# Altium PCB SmartHaloV1_ASCII.PcbDoc (part 3 of 4)
Units mil, origin at the board's own origin, x right, y up, seen from the top; angles counter-clockwise.
Board outline 3022.28 x 2564.81 mil, 4 copper layers (Top Layer, Ground Plane, Power Plane, Bottom Layer), stack 59.692 mil thick; 370 components, 182 nets, 935 pads, 581 vias.
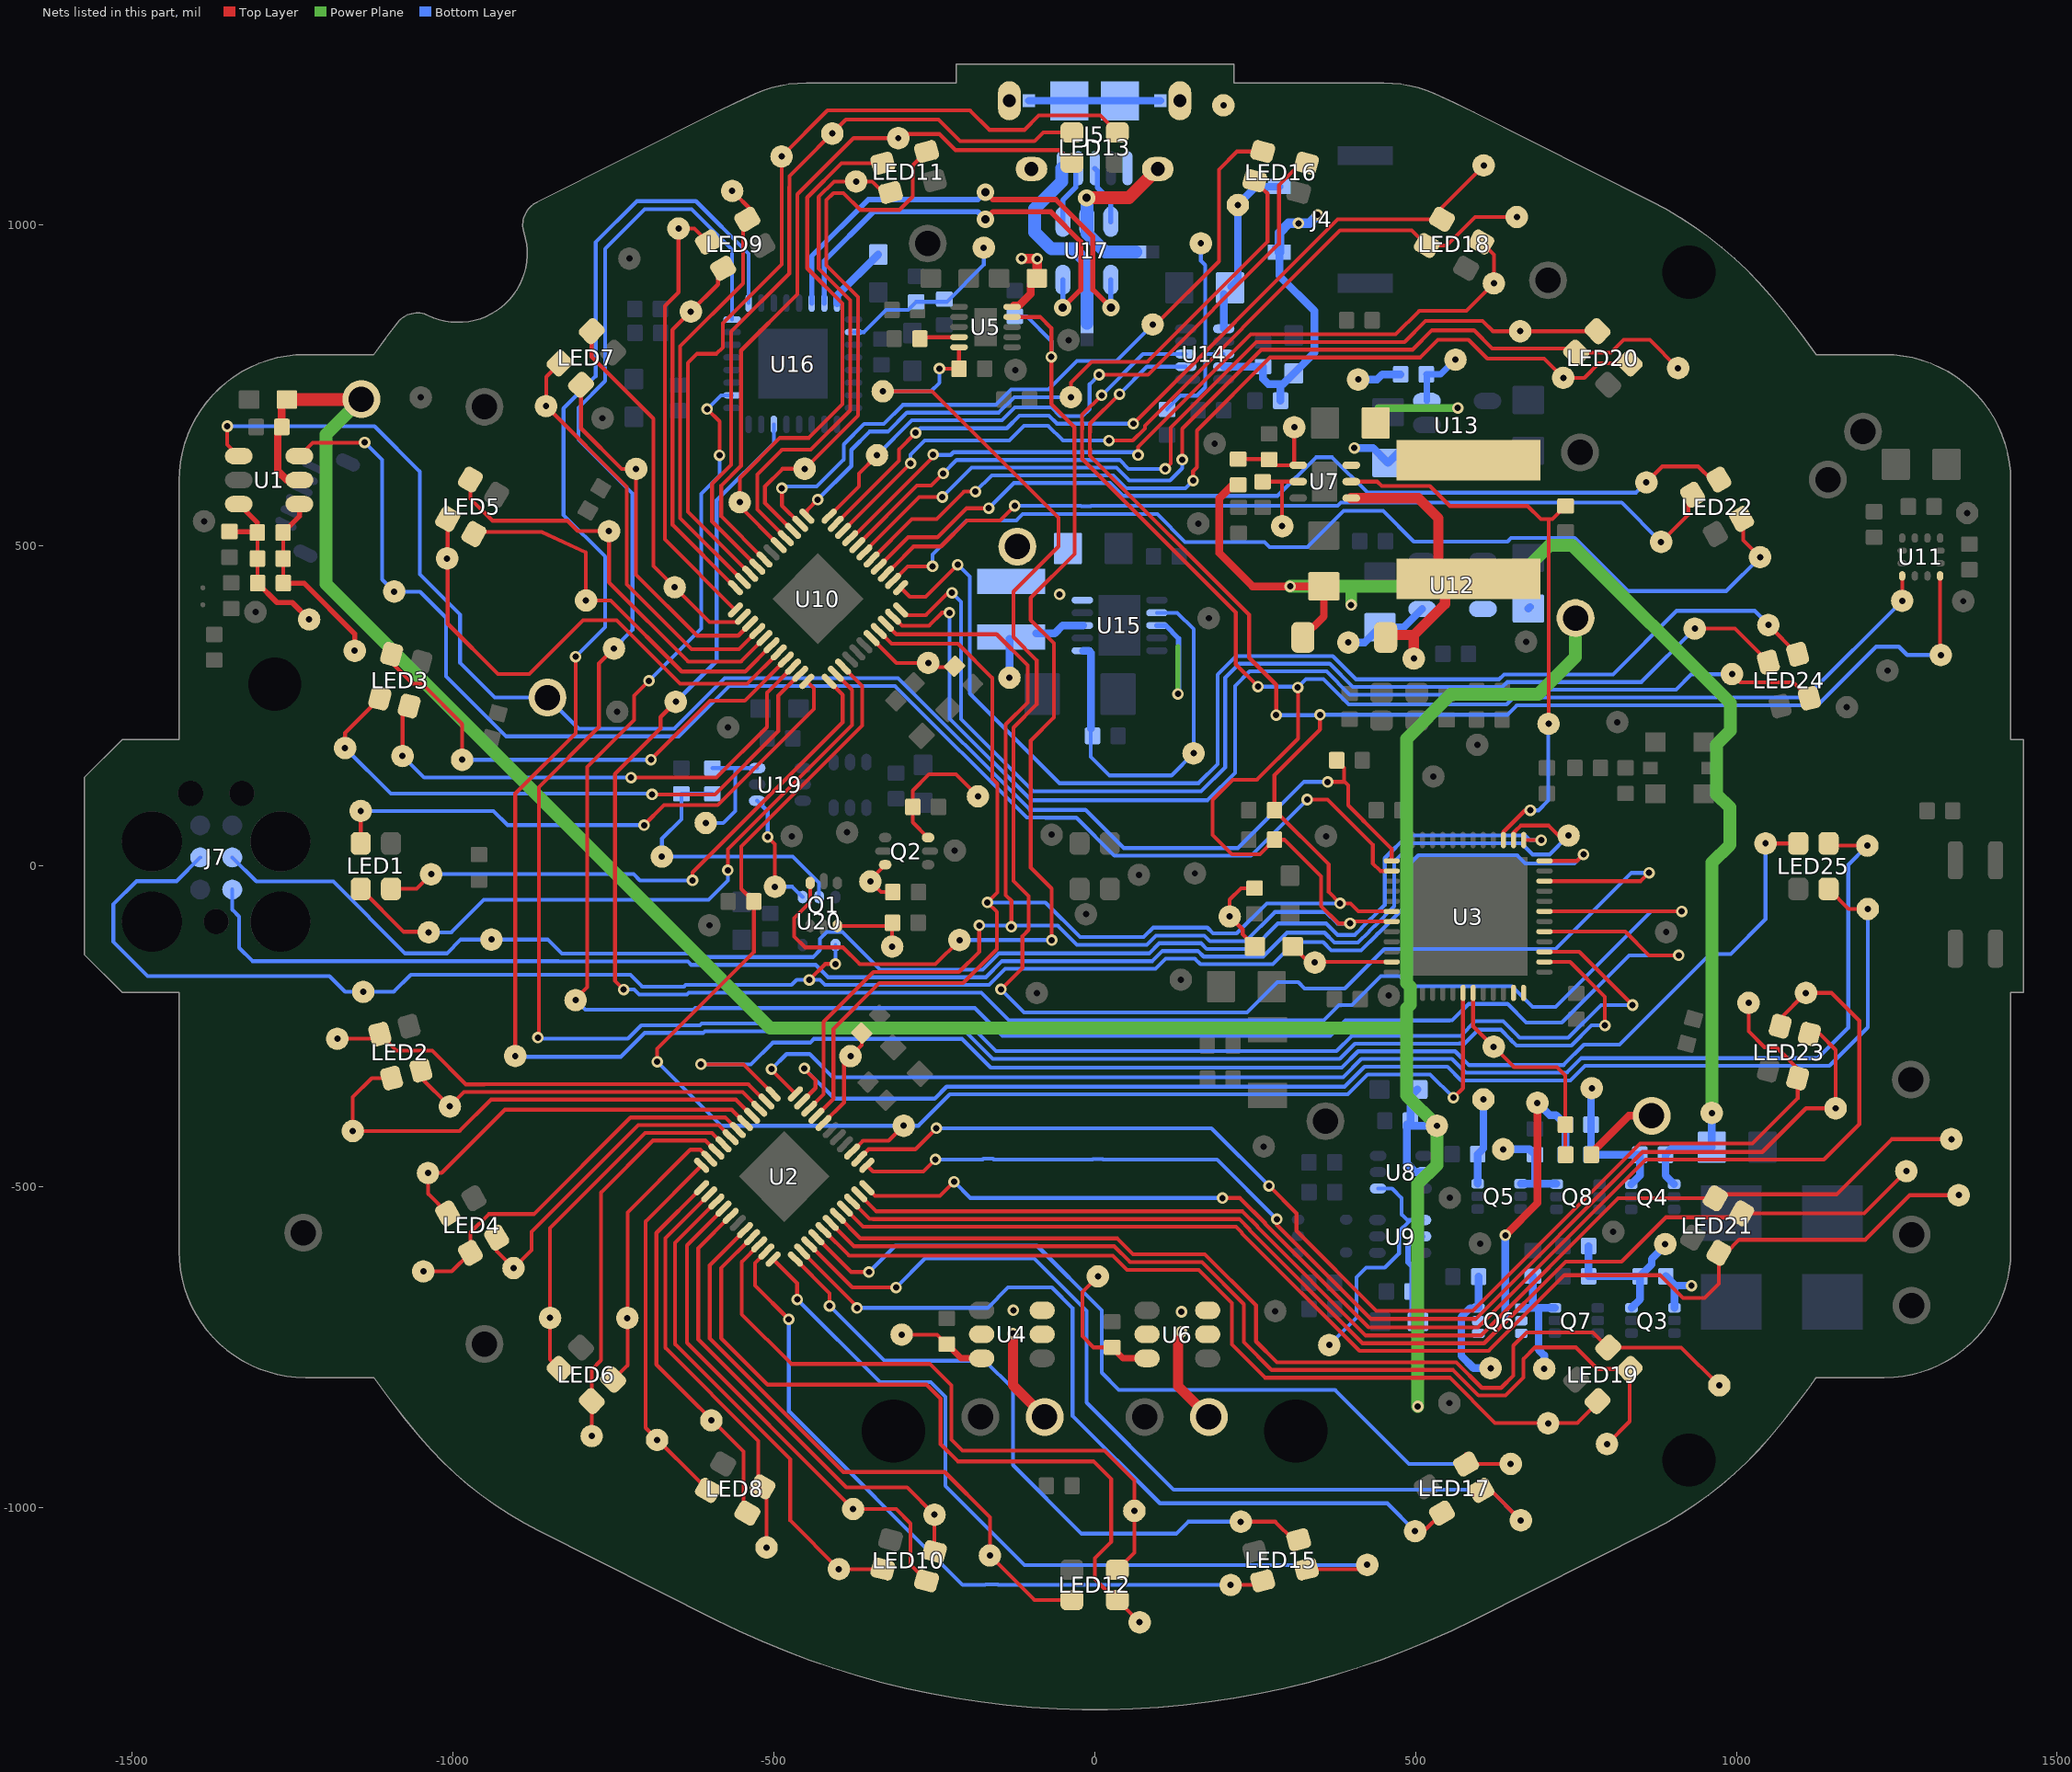
[diagram p4: the nets of this part, all layers, seen from the top]

## Via types
v1: diameter 18, hole 10, Top Layer to Bottom Layer, 557 vias
v2: diameter 27, hole 13, Top Layer to Bottom Layer, 24 vias

## Nets (pads, with @x,y where several pads share a name; then routed paths per layer and width w, separated by ;. In a path a pad name is that pad's centre, name@x,y a point inside that pad or via, vN(x,y) a via of type N, cw(c..) or ccw(c..) an arc to the next point about the centre after c; other vN are vias at no path point) (continued)
NetC62_2: C62.2 Q3.3 R5.1 R22.2 TP134.1 | length 248.6
  Bottom Layer w6: R22.2@769.8,-639.1 R22.2@770,-639.3
  Bottom Layer w12: R22.2@769.8,-639.1 C62.2@769.8,-592 ; R22.2@770,-639.3 R5.1@850,-639.3 ; Q3.3@836.54,-688.41 850,-674.95 R5.1@850,-639.3 ; TP134.1@889.1,-589 889.1,-591.3 868.1,-612.3 868.1,-620.71 850,-638.81 R5.1@850,-639.3
NetC63_1: C63.1 Q6.1 Q6.2 Q6.5 Q6.6 R25.1 TP132.1 | length 459.5
  Top Layer w12: v1(640,-575.2) 690.3,-524.9 TP132.1@690.3,-368.9
  Bottom Layer w12: 640,-703.1 v1(640,-575.2) ; TP132.1@689.9,-368.9 709.05,-388.05 718.75,-388.05 C63.1@733.6,-402.9 R25.1@733.6,-449.6
NetC63_2: C63.2 Q4.3 R21.1 R25.2 TP135.1 | length 231.6
  Bottom Layer w12: C63.2@773.5,-403 R25.2@773.5,-449.7 R21.1@849.6,-449.7 849.6,-482.25 Q4.3@836.14,-495.72 ; C63.2@773.6,-402.9 773.6,-347.2 TP135.1@774.7,-346.1
NetC64_2: C64.2 R26.1 TP154.1 U20.2 | length 442.6
  Bottom Layer w6: R26.1@-595.7,112.7 C64.2@-644,112.7 -644,73.11 -674.4,42.71 TP154.1@-674.4,14.9 -470.5,14.9 -429.47,-26.13 U20.2@-429.47,-48.1
NetD1_2: D1.2 U4.2 U4.3 U4.5 | length 150.7
  Top Layer w16: v1(-127.4,-728.2) -127.4,-808.94 D1.2@-77.95,-858.39
  other v1: -126.6,-692.1
NetD2_2: D2.2 U6.2 U6.3 U6.5 | length 147.1
  Top Layer w16: v1@129.9,-731.2 129.9,-810.33 D2.2@177.95,-858.39
  other v1: 135.2,-725.9 135.2,-694.5
NetD3_2: D3.2 L4.2 TP172.1 U7.4 | length 476.2
  Top Layer w16: U7.4@399.94,573.61 504.39,573.61 535.8,542.2 L4.2@535.8,457.1 ; D3.2@453.5,357.2 456.6,360.3 497.9,360.3 545.9,408.3 545.9,448.88 L4.2@530.32,448.88 ; TP172.1@497.3,323.6 497.3,359.7 ; L4.2@498.8,457.2 507.12,448.88 L4.2@530.32,448.88 ; L4.2@531.32,447.88 L4.2@530.32,448.88
NetJ4_1: J4.1 RSENSE1.2 TP173.1 U14.6 | length 262
  Bottom Layer w12: U14.6@201.1,837.5 RSENSE1.2@201.1,891.5 ; RSENSE1.2@213,903.4 223.2,913.6 223.2,1030.9 251.36,1059.06 J4.1@287.8,1059.06
NetL2_2: L2.2 L3.1 TP159.1 | length 135.5
  Top Layer w6: L2.2@249.1,-34.3 228.2,-34.3 210.4,-52.1 TP159.1@210.4,-78.4 230.7,-98.7 230.7,-106.2 L3.1@249.7,-125.2
NetL3_2: L3.2 TP168.1 U3.47 | length 164.1
  Top Layer w6: L3.2@308.7,-125.2 332.77,-149.27 343,-149.27 U3.47@462.81,-149.27
NetL5_2: L5.2 TP174.1 U15.3 | length 138.7
  Bottom Layer w12: TP174.1@-132.8,293.7 L5.2@-132.8,354.59 ; L5.2@-90.83,362.77 -62.33,362.77 -49.9,375.2 U15.3@-18.17,375.2
NetQ1_3: Q1.3 R7.1 TP112.1 | length 117.6
  Top Layer w6: Q1.3@-400.92,-93.16 R7.1@-319.97,-93.16 ; TP112.1@-315.6,-125.4 R7.1@-315.6,-88.8
NetQ2_3: Q2.3 R11.1 TP113.1 | length 77.3
  Top Layer w6: Q2.3@-326.46,2.22 -349.5,-20.82 TP113.1@-349.5,-23.8 -332.9,-40.4 R11.1@-314.6,-40.4
NetQ2_6: Q2.6 R14.1 TP110.1 | length 209.2
  Top Layer w6: Q2.6@-259.54,44.58 -283.3,68.35 R14.1@-283.3,92.2 -283.3,117.8 -258.1,143 -216,143 TP110.1@-181.8,108.8
NetQ5_3: Q5.3 R40.1 TP137.1 | length 135.1
  Bottom Layer w12: Q5.3@597.04,-494.91 R40.1@597,-448.9 605.8,-440.1 TP137.1@605.8,-363.4
NetQ5_4: Q5.4 Q8.3 R43.2 TP136.1 | length 152.6
  Bottom Layer w12: TP136.1@636.7,-441.2 677.8,-441.2 R43.2@686.2,-449.6 686.2,-493.82 ; Q5.4@663.96,-494.91 Q8.3@719.34,-494.91
NetQ6_3: Q6.3 R41.1 TP131.1 | length 195.3
  Bottom Layer w12: Q6.3@597.94,-688.72 585.18,-688.72 571.4,-702.5 571.4,-763.3 590.4,-782.3 TP131.1@617,-782.3 ; Q6.3@598.2,-688.45 R41.1@598.2,-639.7
NetQ6_4: Q6.4 Q7.3 R42.1 TP133.1 | length 199.2
  Bottom Layer w12: Q6.4@665.06,-688.51 691.9,-688.51 ; 682.8,-687.82 R42.1@682.8,-639.1 ; TP133.1@700.6,-783.3 700.6,-762.3 691.9,-753.6 691.9,-688.51 ; Q7.3@717.14,-688.51 691.9,-688.51
NetR2_1: R2.1 TP157.1 U2.40 | length 164.4
  Top Layer w6: U2.40@-422.45,-400.18 -390.6,-368.33 -390.6,-306.3 TP157.1@-380.4,-296.1 -363.14,-278.84 R2.1@-363.14,-260.38
NetR3_2: R3.2 TP97.1 U4.6 | length 139.8
  Top Layer w6: TP97.1@-300.7,-730.1 -245.39,-730.1 R3.2@-230.61,-744.88
  Top Layer w10: R3.2@-230.61,-744.88 -208.45,-767.05 U4.6@-176.18,-767.05
NetR4_1: R4.1 TP175.1 U13.3 | length 95.6
  Bottom Layer w10: R4.1@516.9,766.5 539.4,766.5 TP175.1@562.3,789.4 ; U13.3@517.65,725.02 R4.1@517.65,765.75
NetR12_2: R12.2 TP98.1 U6.6 | length 218.5
  Top Layer w6: TP98.1@5.1,-639.3 -19.2,-663.6 -19.2,-732.5 -1.64,-750.06 R12.2@27.24,-750.06
  Top Layer w10: R12.2@27.24,-750.06 44.23,-767.05 U6.6@81.69,-767.05
NetR15_1: R15.1 R18.2 TP179.1 U7.1 | length 157
  Top Layer w6: R15.1@223.6,634.3 261.6,634.3 271.01,624.89 U7.1@317.26,624.89 ; U7.1@311,624.7 TP179.1@311,684.1
NetR19_1: R19.1 TP170.1 U7.2 | length 125.1
  Top Layer w6: R19.1@261.6,602.3 R19.1@261.7,602.3 ; R19.1@261.7,599.3 U7.2@317.26,599.3 ; TP170.1@292.2,529.9 292.2,599.3
NetR23_1: R23.1 TP156.1 U10.40 | length 148
  Top Layer w6: U10.40@-347.58,355.45 -308.83,316.7 TP156.1@-259.3,316.7 -252.8,310.2 R23.1@-218.3,310.2
NetR26_2: R26.2 TP153.1 U19.6 | length 190
  Bottom Layer w6: TP153.1@-606,67.3 -578.9,67.3 -560.2,86 -560.2,152.9 ; R26.2@-595.5,152.9 -560.2,152.9 ; U19.6@-525.9,152.9 -560.2,152.9
NetR34_2: R34.2 TP177.1 U14.8 | length 330.2
  Bottom Layer w6: R34.2@113,711.9 134.5,733.4 159.7,733.4 172.5,746.2 172.5,936.8 165.5,943.8 TP177.1@165.5,970.7 ; 172.5,796.9 173.73,798.13 U14.8@201.1,798.13
NetTP129_1: TP129.1 U8.1 U9.4 | length 369.4
  Bottom Layer w6: TP129.1@365.6,-746.3 408.1,-703.8 408.1,-640.8 423.1,-625.8 452.2,-625.8 474.3,-603.7 474.3,-569.4 489.7,-554 478.5,-542.8 478.5,-517.2 463.66,-502.37 U8.1@441.81,-502.37 ; 487.22,-551.52 U9.4@511.65,-551.52
NetTP155_1: TP155.1 U19.4 U20.1 | length 195.2
  Top Layer w6: v1(-509.5,45.5) -498.2,34.2 TP155.1@-498.2,-32.1
  Bottom Layer w6: U19.4@-525.9,101.9 -509.5,85.5 v1(-509.5,45.5) ; TP155.1@-498.2,-32.1 -471.06,-32.1 U20.1@-455.06,-48.1
OUT1: LED25.2 TP56.1 U2.43 | length 2066.4
  Top Layer w6: U2.43@-455.86,-366.78 -435,-345.92 -435,-333.32 -452.3,-316.02 v1(-452.3,-315.3) ; LED25.2@1143.7,-35.43 1175.03,-66.7 TP56.1@1204.9,-66.7
  Bottom Layer w6: v1(-452.3,-315.3) -405.3,-362.3 -249.29,-362.3 -230.69,-343.7 389.34,-343.7 420.54,-312.5 549.67,-312.5 571.07,-333.9 741.3,-333.9 764,-311.2 1145,-311.2 1204.9,-251.3 TP56.1@1204.9,-66.7
OUT2: LED25.3 TP57.1 U2.44 | length 2159.8
  Top Layer w6: v1(-503.6,-316.3) -503.6,-317.65 U2.44@-466.3,-354.95 ; LED25.3@1147.13,32 TP57.1@1204.2,32
  Bottom Layer w6: v1(-503.6,-316.3) -480.1,-292.8 -444.2,-292.8 -408,-329 387.07,-329 415.57,-300.5 556.8,-300.5 578.2,-321.9 735.77,-321.9 758.47,-299.2 1127.1,-299.2 1174.4,-251.9 1174.4,2.2 TP57.1@1204.2,32
OUT3: LED25.4 TP58.1 U2.1 | length 2108.4
  Top Layer w6: v1(-613.7,-308.8) -547.24,-308.8 U2.1@-501.1,-354.95 ; TP58.1@1045.47,35.43 LED25.4@1096.46,35.43
  Bottom Layer w6: v1(-613.7,-308.8) -535.5,-308.8 -501.7,-275 -443.21,-275 -437.41,-269.2 -206.6,-269.2 -161.9,-313.9 385.2,-313.9 410.6,-288.5 561.77,-288.5 583.17,-309.9 730.8,-309.9 762.4,-278.3 818,-278.3 959.4,-136.9 991.23,-136.9 1045.47,-82.67 TP58.1@1045.47,35.43
OUT4: LED2.2 TP23.1 U2.2 | length 705.2
  Top Layer w6: TP23.1@-1180.2,-269 LED2.2@-1121.11,-269 ; LED2.2@-1113.92,-261.81 -1088.13,-287.6 -1032.3,-287.6 -979.8,-340.1 -950.94,-340.1 -950.64,-339.8 -539.7,-339.8 -512.72,-366.78 U2.2@-511.54,-366.78
OUT5: LED2.4 TP25.1 U2.3 | length 577.4
  Top Layer w6: LED2.4@-1049.94,-318.03 -1049.94,-329.36 TP25.1@-1004.9,-374.4 -982.6,-352.1 -945.97,-352.1 -945.67,-351.8 -548.79,-351.8 U2.3@-522.67,-377.91
OUT6: LED2.3 TP24.1 U2.4 | length 778.8
  Top Layer w6: LED2.3@-1095.58,-330.26 -1126.56,-330.26 -1156.1,-359.8 TP24.1@-1156.1,-412.8 -989.7,-412.8 -940.7,-363.8 -559.06,-363.8 U2.4@-533.81,-389.05
OUT7: LED4.2 TP26.1 U2.5 | length 618.9
  Top Layer w6: LED4.2@-1008.21,-541.16 -1038.8,-510.58 TP26.1@-1038.8,-478.2 -1017.6,-478.2 -919,-379.6 -565.53,-379.6 U2.5@-544.95,-400.18
OUT8: LED4.3 TP27.1 U2.6 | length 616.1
  Top Layer w6: TP27.1@-1046.1,-631.5 -1001.74,-631.5 LED4.3@-972.78,-602.54 -972.78,-570.88 -944.2,-542.3 -873.8,-542.3 -723.1,-391.6 -575.8,-391.6 U2.6@-556.08,-411.32
OUT9: LED4.4 TP28.1 U2.7 | length 513.6
  Top Layer w6: LED4.4@-931.87,-578.91 -931.87,-600.03 TP28.1@-905.5,-626.4 -877.5,-598.4 -877.5,-569.7 -711.4,-403.6 -586.07,-403.6 U2.7@-567.22,-422.45
OUT10: LED6.2 TP29.1 U2.8 | length 565.2
  Top Layer w6: LED6.2@-833.81,-783.66 -848.7,-768.76 -848.7,-563.9 -700.4,-415.6 -596.34,-415.6 U2.8@-578.35,-433.59
OUT11: LED6.3 TP30.1 U2.9 | length 605.9
  Top Layer w6: TP30.1@-783.7,-888.1 LED6.3@-783.7,-833.77 -783.7,-784.5 -769.3,-770.1 -769.3,-508.6 -688.3,-427.6 -606.61,-427.6 U2.9@-589.49,-444.73
OUT12: LED6.4 TP31.1 U2.10 | length 443.4
  Top Layer w6: LED6.4@-750.29,-800.36 -727.8,-777.87 -727.8,-539.7 -630,-441.9 -614.58,-441.9 U2.10@-600.62,-455.86
OUT13: LED8.2 TP32.1 U2.11 | length 583
  Top Layer w6: U2.11@-612.45,-466.3 -699.9,-553.75 -699.9,-875.42 LED8.2@-602.54,-972.78
OUT14: LED8.3 TP33.1 U2.12 | length 595.1
  Top Layer w6: U2.12@-612.45,-501.1 -683,-571.64 -683,-776.6 -547.24,-912.36 -547.24,-1002.14 LED8.3@-541.16,-1008.21
OUT15: LED8.4 TP34.1 U2.13 | length 644
  Top Layer w6: U2.13@-600.62,-511.54 -669.1,-580.02 -669.1,-750.6 -524,-895.7 -524,-960.84 LED8.4@-517.54,-967.3 -511.3,-973.54 TP34.1@-511.3,-1061.8
OUT16: LED10.2 TP35.1 U2.14 | length 773.6
  Top Layer w6: U2.14@-589.49,-522.67 -653.8,-586.99 -653.8,-744.9 -474.28,-924.42 -474.28,-1019.92 TP35.1@-398.62,-1095.58 LED10.2@-330.26,-1095.58
OUT17: LED10.3 TP36.1 U2.15 | length 797.7
  Top Layer w6: U2.15@-578.35,-533.81 -635.4,-590.86 -635.4,-742.9 TP36.1@-376.4,-1001.9 -309.4,-1001.9 -286.9,-1024.4 -286.9,-1088.83 LED10.3@-261.81,-1113.92
OUT18: LED10.4 TP37.1 U2.16 | length 752.2
  Top Layer w6: U2.16@-567.22,-544.95 -617.7,-595.43 -617.7,-737.4 -387,-968.1 -292.3,-968.1 TP37.1@-249.58,-1010.82 LED10.4@-249.58,-1068.28
OUT19: LED12.2 TP38.1 U2.18 | length 959.8
  Top Layer w6: U2.18@-544.95,-567.22 -599.8,-622.07 -599.8,-736.2 -391.8,-944.2 -233.7,-944.2 -163.2,-1014.7 TP38.1@-163.2,-1074.3 -93.8,-1143.7 LED12.2@-35.43,-1143.7
OUT20: LED12.3 TP39.1 U2.19 | length 1188.7
  Top Layer w6: U2.19@-533.81,-578.35 -582,-626.54 -582,-735.7 -509.6,-808.1 -261.8,-808.1 -240.1,-829.8 -240.1,-900.8 -213.3,-927.6 -1.7,-927.6 25.9,-955.2 25.9,-1053 0.2,-1078.7 0.2,-1110.8 21.4,-1132 21.4,-1143.7 LED12.3@35.43,-1143.7 TP39.1@70.1,-1178.37
OUT21: LED12.4 TP40.1 U2.20 | length 1039
  Top Layer w6: U2.20@-522.67,-589.49 -550,-616.81 -550,-698.5 -472.8,-775.7 -256.7,-775.7 -223.3,-809.1 -223.3,-893.9 -206.1,-911.1 15.4,-911.1 61.9,-957.6 61.9,-1069.99 LED12.4@35.43,-1096.46
OUT22: LED15.2 TP41.1 U2.21 | length 1132.1
  Top Layer w6: U2.21@-511.54,-600.62 -529.4,-618.48 -529.4,-653.5 v1(-476.6,-706.3) ; TP41.1@211.9,-1120.3 255.39,-1120.3 LED15.2@261.77,-1113.92
  Bottom Layer w6: v1(-476.6,-706.3) -476.6,-849.5 -205.8,-1120.3 -170.62,-1120.3 -169.72,-1119.4 -151.08,-1119.4 -150.18,-1120.3 TP41.1@211.9,-1120.3
OUT23: LED15.3 TP42.1 U2.22 | length 1316.8
  Top Layer w6: U2.22@-501.1,-612.45 -463.6,-649.95 v1(-463.6,-675.2) ; LED15.3@330.22,-1095.58 418.02,-1095.58 TP42.1@424.8,-1088.8
  Bottom Layer w6: v1(-463.6,-675.2) -334.5,-804.3 -255.3,-804.3 -232.4,-827.2 -232.4,-965.8 -109.1,-1089.1 424.5,-1089.1 TP42.1@424.8,-1088.8
OUT24: LED15.4 TP43.1 U2.23 | length 1062.1
  Top Layer w6: U2.23@-466.3,-612.45 -413.1,-665.66 v1(-413.1,-685.2) ; TP43.1@227.7,-1021.7 281.5,-1021.7 309.74,-1049.94 LED15.4@317.99,-1049.94
  Bottom Layer w6: v1(-413.1,-685.2) -327.4,-770.9 -170.7,-770.9 -127.3,-814.3 -127.3,-933.4 -20.4,-1040.3 127,-1040.3 145.6,-1021.7 TP43.1@227.7,-1021.7
OUT25: LED17.2 TP44.1 U2.24 | length 1318.6
  Top Layer w6: U2.24@-455.86,-600.62 -367.98,-688.5 v1(-370.2,-688.5) ; TP44.1@499.3,-1036.4 512.98,-1036.4 LED17.2@541.16,-1008.21
  Bottom Layer w6: v1(-370.2,-688.5) -166.9,-688.5 -134.9,-656.5 -66.7,-656.5 -34.5,-688.7 -34.5,-856.7 101.8,-993 455.9,-993 TP44.1@499.3,-1036.4
OUT26: LED17.3 TP45.1 U2.25 | length 1489
  Top Layer w6: U2.25@-444.73,-589.49 -377.61,-656.6 v1(-309.4,-656.6) ; LED17.3@603.52,-971.8 616.4,-971.8 TP45.1@664.1,-1019.5
  Bottom Layer w6: v1(-309.4,-656.6) -263.7,-610.9 -94.7,-610.9 -12.7,-692.9 -12.7,-836 123.1,-971.8 616.4,-971.8 TP45.1@664.1,-1019.5
OUT27: LED17.4 TP46.1 U2.26 | length 1404.6
  Top Layer w6: U2.26@-433.59,-578.35 -379.44,-632.5 v1(-351.7,-632.5) ; LED17.4@578.91,-931.87 LED17.4@578.91,-915.81 ; LED17.4@578.91,-931.6 TP46.1@648.4,-931.6
  Bottom Layer w6: v1(-351.7,-632.5) -310.9,-591.7 -89.6,-591.7 10.9,-692.2 10.9,-789.42 37.78,-816.3 374.66,-816.3 489.96,-931.6 TP46.1@648.4,-931.6
OUT28: LED19.2 TP47.1 U2.27 | length 1385.1
  Top Layer w6: U2.27@-422.45,-567.22 -382.57,-607.1 28.2,-607.1 50.3,-629.2 162.2,-629.2 213.7,-680.7 213.7,-745.4 265.5,-797.2 553.43,-797.2 623.93,-867.7 752.3,-867.7 LED19.2@786.23,-833.77
OUT29: LED19.3 TP48.1 U2.28 | length 1584.7
  Top Layer w6: U2.28@-411.32,-556.08 -375.1,-592.3 30.37,-592.3 55.27,-617.2 167.17,-617.2 232.6,-682.63 232.6,-741.9 275.9,-785.2 558.4,-785.2 598.2,-825 640.2,-825 668.2,-797 668.2,-768 686.2,-750 749.7,-750 783.36,-783.66 LED19.3@833.77,-783.66 833.77,-865.33 TP48.1@798.5,-900.6
OUT30: LED19.4 TP49.1 U2.29 | length 1615
  Top Layer w6: U2.29@-400.18,-544.95 -364.83,-580.3 35.34,-580.3 59.74,-604.7 171.64,-604.7 251.5,-684.56 251.5,-740.74 283.96,-773.2 563.6,-773.2 603.4,-813 633.5,-813 652.3,-794.2 652.3,-747.2 673,-726.5 776.61,-726.5 LED19.4@800.36,-750.25 914.05,-750.25 TP49.1@973.2,-809.4
OUT31: LED21.2 TP50.1 U2.30 | length 1986.5
  Top Layer w6: U2.30@-389.05,-533.81 -360.86,-562 220.3,-562 229.8,-571.5 229.8,-572.67 412.73,-755.6 614,-755.6 732.2,-637.4 881.1,-637.4 916.7,-673 950.6,-673 972.74,-650.86 LED21.2@972.74,-602.54 984.16,-602.54 1004.5,-582.2 1200.9,-582.2 1270.3,-512.8 TP50.1@1346.5,-512.8
OUT32: LED21.3 TP51.1 U2.31 | length 1837.6
  Top Layer w6: U2.31@-377.91,-522.67 -350.79,-549.8 -345.49,-549.8 -345.29,-550 225.27,-550 241.8,-566.53 241.8,-567.7 417.6,-743.5 606.9,-743.5 734.1,-616.3 821.2,-616.3 890.26,-547.24 LED21.3@1002.1,-547.24 ; LED21.3@1008.17,-541.16 1199.14,-541.16 TP51.1@1265,-475.3
OUT33: LED21.4 TP52.1 U2.32 | length 1923.9
  Top Layer w6: U2.32@-366.78,-511.54 -340.32,-538 230.24,-538 253.8,-561.56 253.8,-562.73 422.57,-731.5 601.93,-731.5 815.89,-517.54 LED21.4@967.26,-517.54 967.26,-511.47 1156.03,-511.47 1242,-425.5 TP52.1@1335,-425.5
OUT34: LED23.4 TP53.1 U2.33 | length 2118.4
  Top Layer w6: U2.33@-354.95,-501.1 -342.14,-513.9 -241.2,-513.9 v1(-219.1,-491.8) ; v1(199.2,-517.2) 226.41,-517.2 265.8,-556.59 265.8,-557.76 427.04,-719 597.46,-719 858.96,-457.5 1136.5,-457.5 1191.7,-402.3 1191.7,-240.8 1148.5,-197.6 TP53.1@1108.4,-197.6 1068.24,-237.76 LED23.4@1068.24,-249.58
  Bottom Layer w6: v1(-219.1,-491.8) -193.8,-517.1 199.2,-517.1 v1(199.2,-517.2)
OUT35: LED23.3 TP54.1 U2.34 | length 1908.7
  Top Layer w6: U2.34@-354.95,-466.3 -345.45,-475.8 -266.8,-475.8 v1(-248.1,-457.1) ; v1(283.8,-550.2) 283.8,-558.79 430.71,-705.7 593.79,-705.7 853.99,-445.5 1040.5,-445.5 1108.6,-377.4 TP54.1@1154.7,-377.4 1154.7,-286.4 1130.11,-261.81 LED23.3@1113.88,-261.81
  Bottom Layer w6: v1(-248.1,-457.1) -174.66,-457.1 -173.36,-455.8 -158.44,-455.8 -157.14,-457.1 -2.96,-457.1 -2.56,-456.7 12.36,-456.7 12.76,-457.1 190.7,-457.1 v1(283.8,-550.2)
OUT36: LED23.2 TP55.1 U2.35 | length 1944.8
  Top Layer w6: U2.35@-366.78,-455.86 -352.12,-441.2 -279.4,-441.2 v1(-246.6,-408.4) ; v1(271.8,-498.2) 314.5,-540.9 314.5,-568.56 439.04,-693.1 589.42,-693.1 850.42,-432.1 1025.2,-432.1 1095.54,-361.76 LED23.2@1095.54,-330.26 1095.54,-315.14 1062.5,-282.1 1043.7,-282.1 1019.1,-257.5 TP55.1@1019.1,-213
  Bottom Layer w6: v1(-246.6,-408.4) 182,-408.4 v1(271.8,-498.2)
OUT37: LED24.2 TP60.1 U10.43 | length 1866.1
  Top Layer w6: U10.43@-314.18,388.86 -300.12,374.8 -258.1,374.8 -237.9,395 v1(-226.3,395) ; TP60.1@993.2,299.4 1005.9,286.7 1088.95,286.7 LED24.2@1113.88,261.77
  Bottom Layer w6: v1(-226.3,395) -226.3,240.6 -226.28,230.11 -98.97,102.8 176,102.8 218.7,145.5 218.7,280.8 241.4,303.5 361.27,303.5 397.57,267.2 640.26,267.2 647.96,274.9 905.9,274.9 930,299 TP60.1@993.2,299
OUT38: LED24.4 TP61.1 U10.44 | length 1843.9
  Top Layer w6: U10.44@-302.35,399.3 -294.34,391.3 -263.1,391.3 -228.4,426 v1(-222.3,426) ; TP61.1@935.2,370.2 997.7,370.2 LED24.4@1049.9,317.99
  Bottom Layer w6: v1(-222.3,426) -208.3,412 -208.3,377.58 -208.4,377.48 -208.4,229.2 -95.7,116.5 166,116.5 203.5,154 203.5,293.5 225.5,315.5 366.24,315.5 402.54,279.2 635.29,279.2 642.99,286.9 851.9,286.9 TP61.1@935.2,370.2
OUT39: LED24.3 TP59.1 U10.1 | length 1924.1
  Top Layer w6: U10.1@-302.35,434.1 -288.15,419.9 -263.3,419.9 v1(-213.3,469.9) ; TP59.1@1049.96,376.8 TP59.1@1049.96,375.8 LED24.3@1095.54,330.22
  Bottom Layer w6: v1(-213.3,469.9) -194.7,451.3 -194.7,268.94 -55.06,129.3 161.83,129.3 191.5,158.97 191.5,298.47 220.53,327.5 371.21,327.5 407.51,291.2 630.32,291.2 638.02,298.9 807.8,298.9 906.9,398 1028.76,398 TP59.1@1049.96,376.8
OUT40: LED22.2 TP66.1 U10.2 | length 1599.5
  Top Layer w6: U10.2@-314.18,444.54 -291.52,467.2 v1(-252.6,467.2) ; LED22.2@1008.17,541.16 1010.5,538.84 1010.5,508.1 TP66.1@1037,481.6
  Bottom Layer w6: v1(-252.6,467.2) -252.6,485.8 -199.6,538.8 -121.94,538.8 -112.14,548.6 97.7,548.6 141,505.3 264.6,505.3 272.7,497.2 331.64,497.2 388.04,553.6 449.65,553.6 497.25,506 643.49,506 648.99,511.5 748.1,511.5 830.8,428.8 984.2,428.8 TP66.1@1037,481.6
OUT41: LED22.4 TP68.1 U10.3 | length 1373.9
  Top Layer w6: U10.3@-325.31,455.67 -315.04,465.95 -314.48,465.95 -282.23,498.2 -239.4,498.2 -198.7,538.9 -147.3,538.9 v1(-124.5,561.7) ; TP68.1@882.7,505.3 924.96,547.56 924.96,572.04 LED22.4@931.83,578.91